# Altium PCB LimeSDR-X3_1v1.PcbDoc (part 11 of 25)
Units mm, origin at the board's own origin, x right, y up, seen from the top; angles counter-clockwise.
Board outline 232.5 x 111.15 mm, 12 copper layers (Top, L2, L3, L4, L5, L6, L7, L8, L9, L10, L11, Bottom), stack 1.596 mm thick; 2068 components, 1388 nets, 8930 pads, 3646 vias.
Unrouted connection lines stored in the file: 1.
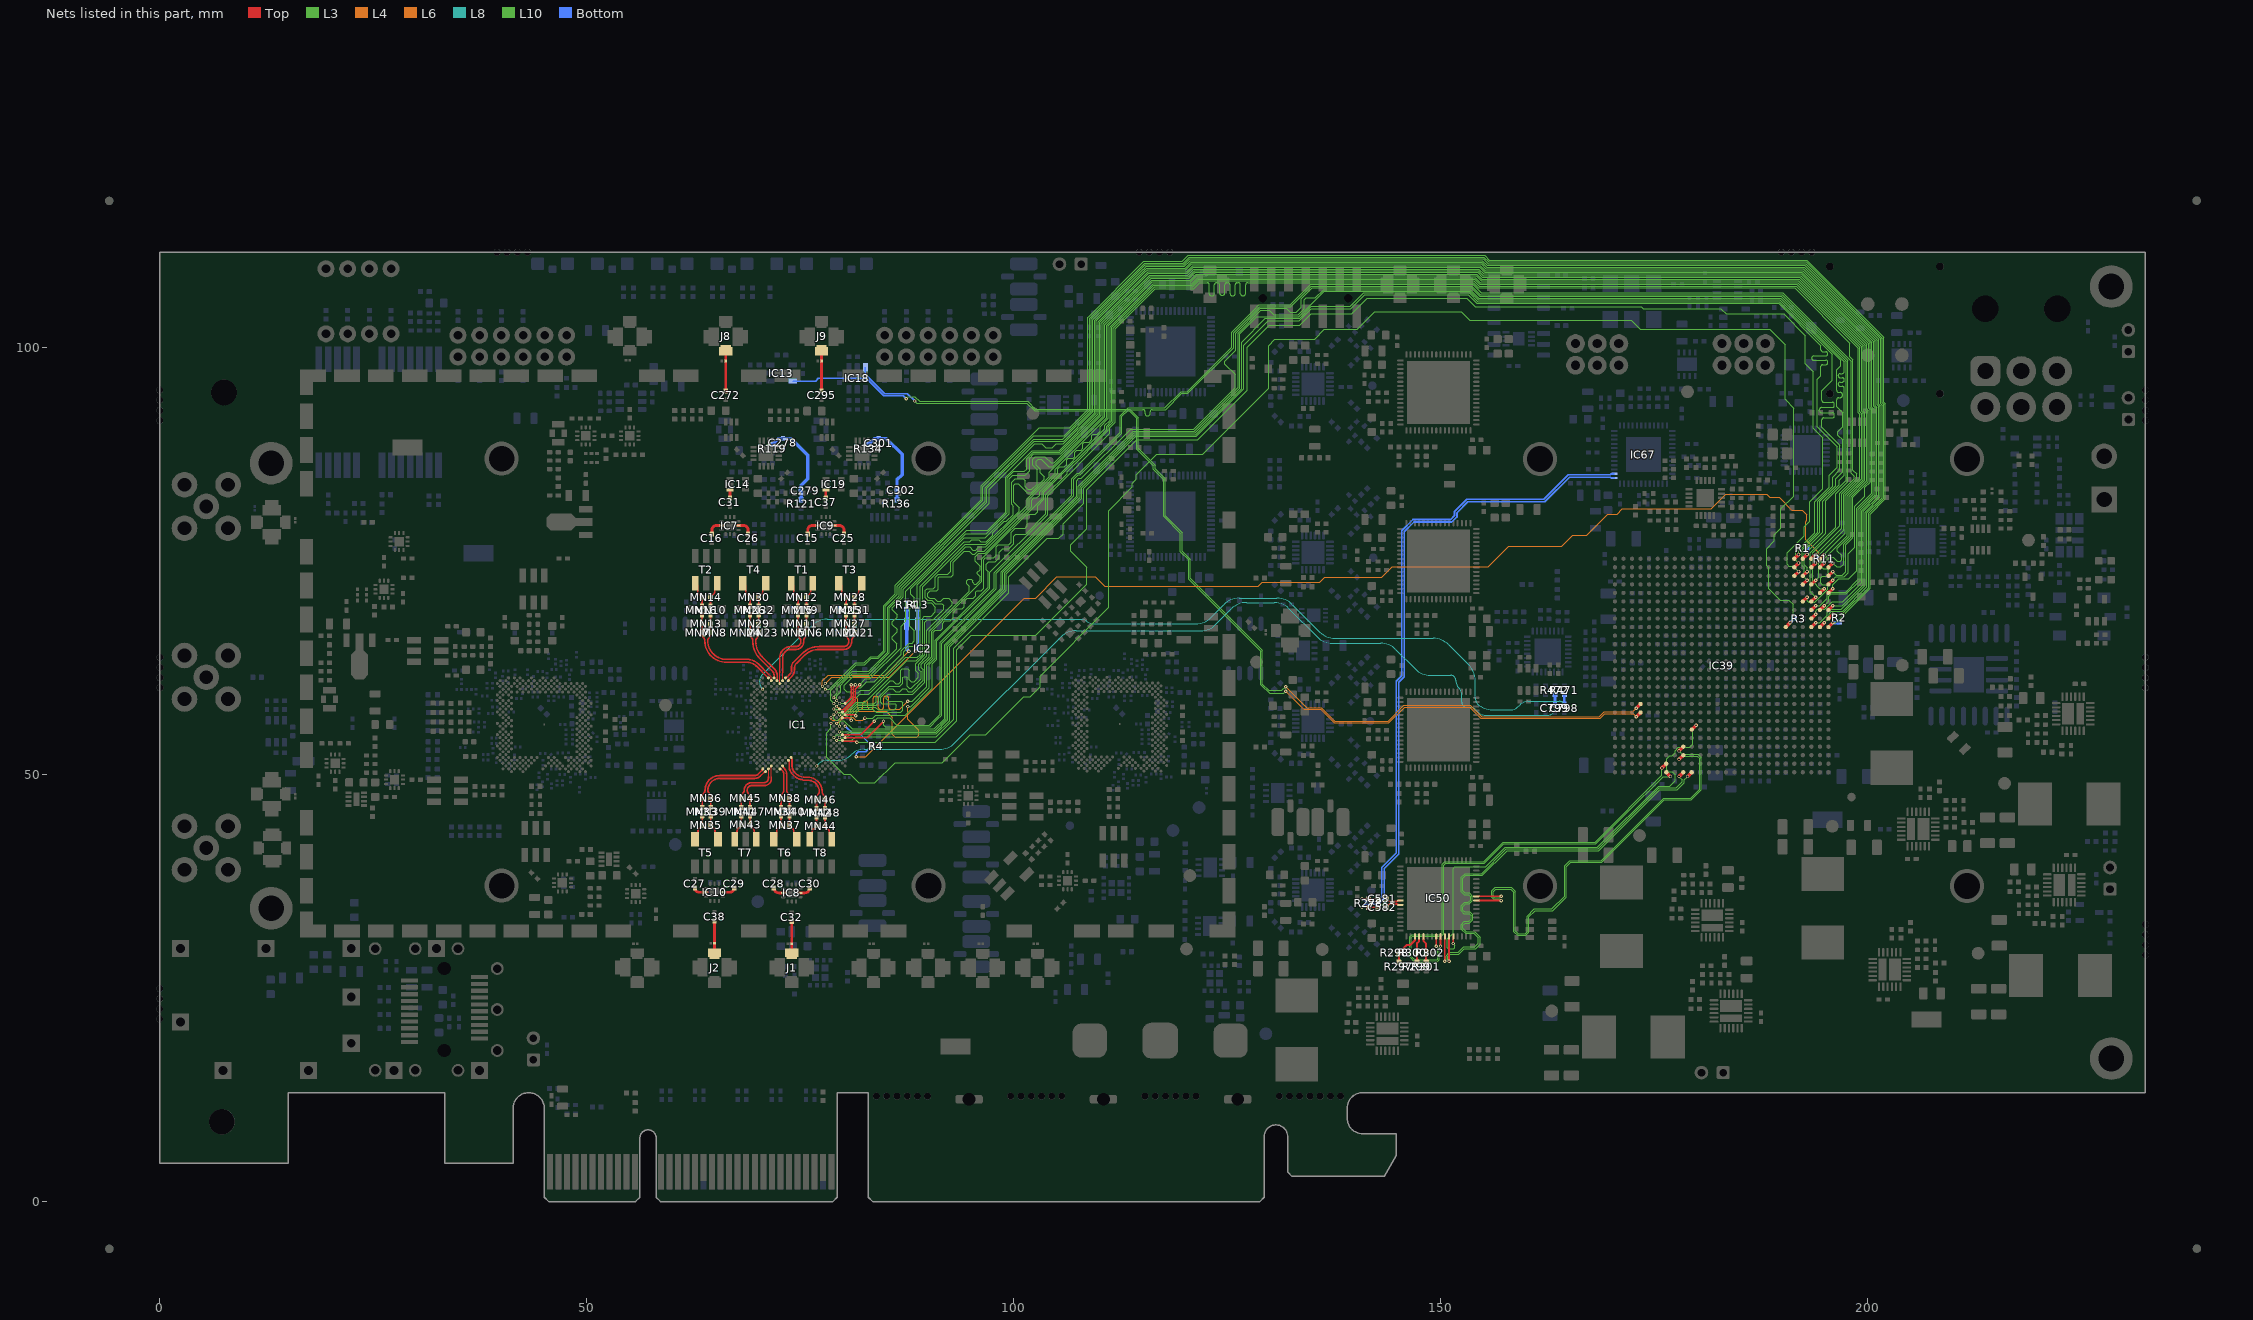
[diagram p21: the nets of this part, all layers, seen from the top]

## Via types
v1: diameter 0.4, hole 0.2, Top to Bottom, tented both sides, 3063 vias
v2: diameter 0.35, hole 0.2, Top to Bottom, tented both sides, 272 vias
v3: diameter 0.5, hole 0.2, Top to Bottom, tented bottom, 196 vias
v4: diameter 0.5, hole 0.2, Top to Bottom, tented both sides, 102 vias
v5: diameter 0.8, hole 0.4, Top to Bottom, tented both sides, 13 vias

## Nets (pads, with @x,y where several pads share a name; then routed paths per layer and width w, separated by ;. In a path a pad name is that pad's centre, name@x,y a point inside that pad or via, vN(x,y) a via of type N, cw(c..) or ccw(c..) an arc to the next point about the centre after c; other vN are vias at no path point) (continued)
LMS1_DIQ1_D8: IC1.AC31 IC39.AE5 | length 184.1
  Top w0.4: IC39.AE5@191.375,74.275 v1(191.875,74.775)
  L3 w0.1: v2(79.241,54.008) 81.02,54.008 81.462,54.45 90.892,54.45 92.925,56.483 92.925,64.799 99.4,71.274 99.4,73.15 103.9,77.65 105.25,77.65 105.75,78.15 105.75,79.375 108.15,81.775 108.15,83.533 114.242,89.625 121.372,89.625 126.925,95.178 126.925,100.25 129.8,103.125 133.424,103.125 134.824,104.525 139.425,104.525 141.1,106.2 153.203,106.2 154.206,105.198 189.53,105.198 194.5,100.228 194.5,99.768 194.5,99.743 ccw(c194.725,99.743) 194.725,99.518 195.056,99.518 cw(c195.056,99.293) 195.281,99.293 195.281,99.243 cw(c195.056,99.243) 195.056,99.018 194.5,99.018 193.643,99.018 ccw(c193.643,98.793) 193.418,98.793 193.418,98.743 ccw(c193.643,98.743) 193.643,98.518 194.5,98.518 195.082,98.518 cw(c195.082,98.293) 195.307,98.293 195.307,98.243 cw(c195.082,98.243) 195.082,98.018 194.725,98.018 ccw(c194.725,97.793) 194.5,97.793 194.5,96.725 194.075,96.3 194.075,90.725 196.4,88.4 196.4,85.975 195.475,85.05 195.475,83.649 193.8,81.974 193.8,78.343 191.525,76.068 191.525,75.125 v1(191.875,74.775)
LMS1_DIQ1_D9: IC1.AC33 IC39.AD5 | length 183.8
  Top w0.15: IC1.AC33@79.907,54.008 79.99,53.925 81.467,53.925 v1(81.61,53.782)
  Top w0.4: IC39.AD5@191.375,73.275 v1(191.875,73.775)
  L3 w0.1: v1(81.61,53.782) 90.789,53.782 93.325,56.318 93.325,64.633 94.992,66.3 102.541,66.3 108.55,72.309 108.55,74.3 106.675,76.175 106.675,76.925 108.55,78.8 108.55,83.368 114.407,89.225 121.537,89.225 127.325,95.013 127.325,100.067 129.883,102.625 133.489,102.625 134.839,103.975 139.541,103.975 141.366,105.8 153.038,105.8 154.04,104.798 173.445,104.798 173.667,104.575 182.792,104.575 183.417,103.95 190.134,103.95 192.675,101.409 192.675,98.125 193.6,97.2 193.6,90.542 194.7,89.442 194.7,83.475 193.175,81.95 193.175,79.65 192.55,79.025 192.55,77.995 190.525,75.97 190.525,74.63 190.73,74.425 191.225,74.425 v1(191.875,73.775)
LMS1_DIQ1_D10: IC1.AB30 IC39.AC4 | length 184
  Top w0.4: IC39.AC4@192.375,72.275 v1(192.875,72.775)
  L3 w0.1: v2(78.908,54.341) 79.236,54.669 80.445,54.669 80.733,54.957 90.833,54.957 92.275,56.399 92.275,65.058 98.9,71.683 98.9,73.609 107.75,82.459 107.75,83.699 114.076,90.025 121.206,90.025 126.45,95.269 126.45,101.616 128.459,103.625 133.358,103.625 136.333,106.6 153.369,106.6 154.371,105.598 189.696,105.598 196.8,98.494 196.8,97.875 196.325,97.4 196.325,95.05 196.325,95.02 ccw(c196.595,95.02) 196.595,94.75 196.755,94.75 cw(c196.755,94.48) 197.025,94.48 197.025,94.42 cw(c196.755,94.42) 196.755,94.15 196.595,94.15 ccw(c196.595,93.88) 196.325,93.88 196.325,93.425 196.325,93.075 197.025,92.375 197.025,90.725 196.475,90.175 196.475,89.75 197.025,89.2 197.025,85.45 196.225,84.65 196.225,83.833 194.375,81.983 194.375,78.352 192.325,76.302 192.325,74.475 192.525,74.275 192.525,73.125 v1(192.875,72.775)
LMS1_DIQ1_D11: IC1.AB32 IC39.AF5 | length 184
  Top w0.4: IC39.AF5@191.375,75.275 v1(191.875,75.775)
  L3 w0.1: v2(79.574,54.341) 80.4,54.341 80.816,54.757 90.915,54.757 92.475,56.316 92.475,64.975 99.1,71.6 99.1,73.526 107.95,82.376 107.95,83.616 114.159,89.825 121.289,89.825 126.675,95.212 126.675,100.65 129.45,103.425 133.441,103.425 134.841,104.825 139.375,104.825 140.95,106.4 153.286,106.4 154.289,105.398 189.613,105.398 195.8,99.211 195.8,96.175 194.6,94.975 194.6,93.9 194.6,93.839 ccw(c194.843,93.839) 194.843,93.596 195.834,93.596 cw(c195.834,93.353) 196.077,93.353 196.077,93.231 cw(c195.834,93.231) 195.834,92.988 194.6,92.988 194.565,92.988 ccw(c194.565,92.745) 194.322,92.745 194.322,92.623 ccw(c194.565,92.623) 194.565,92.38 194.6,92.38 195.834,92.38 cw(c195.834,92.137) 196.077,92.137 196.077,92.015 cw(c195.834,92.015) 195.834,91.772 194.843,91.772 ccw(c194.843,91.529) 194.6,91.529 194.6,91.425 194.6,90.675 196.725,88.55 196.725,85.7 195.85,84.825 195.85,83.741 194.1,81.991 194.1,78.36 191.875,76.135 v1(191.875,75.775)
LMS1_DIQ2_D0: IC1.H30 IC39.V2 | length 196.8
  Top w0.4: IC39.V2@194.375,67.275 v1(194.875,67.775)
  L3 w0.1: v2(78.908,59.003) 78.935,59.029 78.935,59.236 79.3,59.601 79.3,60.344 80.063,61.107 80.065,61.107 81.079,62.121 83.017,62.121 85.222,64.325 85.222,69.597 86.575,70.95 86.575,71.933 96.642,82 96.642,83.6 102.175,89.133 102.292,89.25 105.741,89.25 109.05,92.559 109.05,103.366 115.084,109.4 115.09,109.4 115.39,109.7 119.883,109.7 120.583,110.4 154.943,110.4 155.518,109.825 192.692,109.825 201.475,101.042 201.475,93.452 201.65,93.277 201.65,82.441 199.875,80.666 199.875,71.975 197.025,69.125 195.73,69.125 195.45,68.845 195.45,68.35 v1(194.875,67.775)
LMS1_DIQ2_D1: IC1.J31 IC39.V3 | length 197.1
  Top w0.4: IC39.V3@193.375,67.275 v1(193.875,67.775)
  L3 w0.1: v2(79.241,58.67) 79.241,59.259 79.7,59.718 79.7,60.461 80.146,60.907 80.147,60.907 81.066,61.825 83.004,61.825 85.422,64.242 85.422,69.514 86.775,70.867 86.775,71.85 96.842,81.917 96.842,82.083 96.842,83.517 102.375,89.05 105.824,89.05 109.25,92.476 109.25,103.283 115.167,109.2 115.173,109.2 115.473,109.5 119.966,109.5 120.666,110.2 154.86,110.2 155.435,109.625 192.609,109.625 201.275,100.959 201.275,93.369 201.45,93.194 201.45,82.524 199.675,80.749 199.675,72.15 196.9,69.375 195.625,69.375 195.25,69 195.25,68.655 194.37,67.775 v1(193.875,67.775)
LMS1_DIQ2_D2: IC1.K30 IC39.W1 | length 196.9
  Top w0.4: IC39.W1@195.375,68.275 v1(195.875,68.775)
  L3 w0.1: v2(78.908,58.337) 78.567,58.678 78.567,59.894 79.98,61.307 79.982,61.307 81.546,62.871 82.54,62.871 83.29,63.621 84.133,63.621 84.95,64.438 84.95,69.717 86.325,71.092 86.325,72.067 96.37,82.113 96.37,83.713 102.333,89.675 105.883,89.675 108.85,92.642 108.85,103.449 115.001,109.6 115.007,109.6 115.307,109.9 119.8,109.9 120.5,110.6 155.026,110.6 155.601,110.025 192.775,110.025 201.675,101.125 201.675,93.535 201.85,93.36 201.85,82.358 200.075,80.583 200.075,71.892 196.958,68.775 v1(195.875,68.775)
LMS1_DIQ2_D3: IC1.K32 IC39.Y1 | length 196.7
  Top w0.4: IC39.Y1@195.375,69.275 v1(195.875,69.775)
  L3 w0.1: v2(79.574,58.337) 79.587,58.349 80.409,58.349 81.225,59.166 81.225,59.448 80.948,59.725 80.446,59.725 80.15,60.021 80.15,60.491 81.159,61.5 83.079,61.5 86.3,64.721 86.3,65.3 85.75,65.85 85.75,66.15 86.325,66.725 86.325,67 85.75,67.575 85.75,67.875 86.325,68.45 86.325,68.7 85.75,69.275 85.75,69.525 87.05,70.825 87.05,71.725 97.125,81.8 97.125,83.4 102.45,88.725 103.283,88.725 103.733,88.275 104.499,88.275 104.949,88.725 105.781,88.725 109.45,92.394 109.45,103.2 115.25,109 115.256,109 115.556,109.3 120.049,109.3 120.749,110 154.777,110 155.352,109.425 192.526,109.425 200.958,100.994 201.075,100.876 201.075,93.286 201.25,93.111 201.25,82.606 199.475,80.831 199.475,72.25 197,69.775 v1(195.875,69.775)
LMS1_DIQ2_D4: IC1.L31 IC39.AF2 | length 196.1
  Top w0.4: IC39.AF2@194.375,75.275 v1(194.875,75.775)
  L3 w0.1: v1(87.55,58.596) 88.071,58.596 89.775,60.3 89.775,62.891 90.575,63.691 90.575,66.675 90.787,66.887 91.412,66.887 91.65,67.125 91.65,67.75 91.925,68.025 92.55,68.025 92.875,68.35 92.875,68.975 93.3,69.4 93.95,69.4 94.2,69.65 94.2,70.3 94.55,70.65 95.25,70.65 95.55,70.95 95.55,71.4 95.7,71.55 96.15,71.55 96.45,71.85 96.45,75.175 96.65,75.375 97.625,75.375 97.95,75.7 97.95,76.675 98.175,76.9 99.375,76.9 99.675,77.2 99.675,78.4 100.125,78.85 101.3,78.85 101.575,79.125 101.575,80.3 101.775,80.5 102.5,80.5 102.775,80.775 102.775,81.5 103.5,82.225 103.5,83.05 110.84,90.39 110.84,90.807 111.45,91.417 111.45,102.366 116.384,107.3 120.877,107.3 121.577,108 153.949,108 154.551,107.398 191.687,107.398 199.05,100.034 199.05,92.483 199.25,92.283 199.25,84.634 197.35,82.734 197.35,78.25 v1(194.875,75.775)
  L4 w0.1: v2(79.241,58.004) 79.601,57.644 80.525,57.644 80.839,57.644 ccw(c80.839,57.887) 81.082,57.887 81.082,58.794 cw(c81.325,58.794) 81.325,59.037 81.447,59.037 cw(c81.447,58.794) 81.69,58.794 81.69,57.887 ccw(c81.933,57.887) 81.933,57.644 82.055,57.644 ccw(c82.055,57.887) 82.298,57.887 82.298,58.32 cw(c82.541,58.32) 82.541,58.564 82.663,58.564 cw(c82.663,58.32) 82.906,58.32 82.906,57.887 ccw(c83.149,57.887) 83.149,57.644 83.271,57.644 ccw(c83.271,57.887) 83.514,57.887 83.514,58.924 cw(c83.757,58.924) 83.757,59.168 83.879,59.168 cw(c83.879,58.924) 84.122,58.924 84.122,57.887 ccw(c84.365,57.887) 84.365,57.644 84.487,57.644 ccw(c84.487,57.887) 84.73,57.887 84.73,58.924 cw(c84.973,58.924) 84.973,59.168 85.095,59.168 cw(c85.095,58.924) 85.338,58.924 85.338,57.887 ccw(c85.581,57.887) 85.581,57.644 85.946,57.644 86.25,57.644 86.598,57.644 v1(87.55,58.596)
LMS1_DIQ2_D5: IC1.K34 IC39.Y3 | length 196.6
  Top w0.15: IC1.K34@80.24,58.337 80.935,59.031 v1(80.935,60.507)
  Top w0.4: IC39.Y3@193.375,69.275 v1(193.875,69.775)
  L3 w0.1: v1(80.935,60.507) 80.935,60.138 81.491,59.582 81.786,59.582 82.079,59.875 83.099,59.875 87.1,63.876 87.1,64.408 87.729,65.037 88.287,65.037 88.675,65.425 88.675,72.234 94.191,77.75 96.616,77.75 99.425,80.559 99.425,84.659 99.841,85.075 101.325,85.075 101.825,85.575 101.825,87.059 102.316,87.55 105.455,87.55 110.05,92.145 110.05,102.951 115.499,108.4 115.504,108.4 115.804,108.7 120.297,108.7 120.997,109.4 154.529,109.4 155.104,108.825 192.278,108.825 200.358,100.745 200.475,100.628 200.475,93.038 200.65,92.863 200.65,82.855 198.875,81.08 198.875,72.85 197.4,71.375 195.525,71.375 195.225,71.075 195.225,70.63 194.37,69.775 v1(193.875,69.775)
LMS1_DIQ2_D6: IC1.M30 IC39.AB1 | length 196.8
  Top w0.4: IC39.AB1@195.375,71.275 v1(195.875,71.775)
  L3 w0.1: v2(78.908,57.671) 80.246,57.671 81.957,59.382 83.007,59.382 87.35,63.725 88.701,63.725 89.025,64.049 89.025,72.075 94.2,77.25 94.832,77.25 95.057,77.475 95.87,77.475 96.095,77.25 96.726,77.25 97.526,78.05 97.526,78.326 98.849,79.649 99.125,79.649 99.925,80.449 99.925,81.449 99.725,81.649 99.725,84.25 100.125,84.65 101.075,84.65 101.3,84.425 101.3,83.7 101.6,83.4 102.101,83.4 102.725,84.024 102.725,85.7 102.225,86.2 102.225,86.95 102.5,87.225 103.625,87.225 104.344,86.506 104.694,86.506 110.25,92.062 110.25,102.869 115.581,108.2 115.587,108.2 115.887,108.5 120.38,108.5 121.08,109.2 154.446,109.2 155.021,108.625 192.195,108.625 200.275,100.545 200.275,92.955 200.45,92.78 200.45,82.938 198.675,81.163 198.675,73.875 197.75,72.95 196.58,72.95 195.875,72.245 v1(195.875,71.775)
LMS1_DIQ2_D7: IC1.M32 IC39.Y2 | length 197
  Top w0.11: IC1.M32@79.574,57.671 80.078,57.671
  Top w0.15: 80.078,57.671 81.185,58.777 81.185,60.227 81.435,60.477 v1(81.435,60.507)
  Top w0.4: IC39.Y2@194.375,69.275 v1(194.875,69.775)
  L3 w0.1: v1(81.435,60.507) 81.76,60.182 82.086,60.182 82.779,60.875 83.625,60.875 86.825,64.075 86.825,64.5 87.725,65.4 88.075,65.4 88.325,65.65 88.325,66.825 87.8,67.35 87.8,69.425 88.325,69.95 88.325,70.7 87.904,71.121 87.904,71.746 94.358,78.2 96.783,78.2 99.225,80.642 99.225,84.742 99.977,85.494 101.219,85.494 101.481,85.756 101.481,86.998 102.233,87.75 105.372,87.75 109.85,92.228 109.85,103.034 115.416,108.6 115.422,108.6 115.722,108.9 120.214,108.9 120.914,109.6 154.612,109.6 155.187,109.025 192.361,109.025 200.675,100.711 200.675,93.121 200.85,92.946 200.85,82.772 199.075,80.997 199.075,72.767 197.458,71.15 195.7,71.15 195.425,70.875 195.425,70.325 v1(194.875,69.775)
LMS1_DIQ2_D8: IC1.N31 IC39.AC1 | length 196.6
  Top w0.4: IC39.AC1@195.375,72.275 v1(195.875,72.775)
  L3 w0.1: v2(79.241,57.338) 79.249,57.33 79.709,57.33 79.834,57.205 80.264,57.205 81.555,58.496 82.592,58.496 87.422,63.325 88.584,63.325 89.3,64.041 89.3,68.325 89.519,68.544 90.294,68.544 90.8,69.05 90.8,69.6 90.294,70.106 89.544,70.106 89.3,70.35 89.3,71.975 94.275,76.95 96.709,76.95 100.625,80.866 100.625,81.25 100,81.875 100,83.9 100.175,84.075 100.525,84.075 101.584,83.016 102,83.016 103.575,84.591 103.575,84.885 103.1,85.36 103.1,85.775 102.625,86.25 102.625,86.7 102.825,86.9 103.225,86.9 104.057,86.068 104.551,86.068 110.45,91.967 110.45,102.78 115.97,108.3 120.463,108.3 121.163,109 154.363,109 154.947,108.416 192.109,108.416 199.949,100.576 200.066,100.459 200.066,92.881 200.25,92.697 200.25,84.22 199.65,83.62 199.65,82.575 198.475,81.4 198.475,76.65 197.675,75.85 197.675,73.625 197.2,73.15 196.25,73.15 v1(195.875,72.775)
LMS1_DIQ2_D9: IC1.N33 IC39.W3 | length 196.5
  Top w0.15: IC1.N33@79.907,57.338 79.924,57.355 80.116,57.355 81.435,58.673 81.435,59.977 v1@81.96,60.502
  Top w0.4: IC39.W3@193.375,68.275 v1(193.875,68.775)
  L3 w0.1: v1(81.935,60.532) 82.603,61.2 83.104,61.2 86.775,64.871 86.775,67.375 87.35,67.95 87.35,71.475 94.5,78.625 96.925,78.625 99.025,80.725 99.025,84.825 102.15,87.95 105.289,87.95 109.65,92.311 109.65,103.117 115.333,108.8 115.339,108.8 115.639,109.1 120.131,109.1 120.831,109.8 154.695,109.8 155.27,109.225 192.444,109.225 200.875,100.794 200.875,93.203 201.05,93.028 201.05,82.689 199.275,80.914 199.275,72.475 197.05,70.25 195.845,70.25 194.945,69.35 194.075,69.35 193.875,69.15 v1(193.875,68.775)
LMS1_DIQ2_D10: IC1.P30 IC39.AE1 | length 196.7
  Top w0.4: IC39.AE1@195.375,74.275 v1(195.875,74.775)
  L3 w0.1: v2(78.908,57.005) 78.916,56.997 78.916,56.537 79.106,56.347 79.376,56.347 79.698,56.669 80.311,56.669 81.738,58.096 83.871,58.096 84.174,58.399 84.174,59.128 85.37,60.325 86.65,60.325 87,60.675 87,61.375 87.1,61.475 87.375,61.475 87.5,61.35 87.5,60.325 87.725,60.1 87.975,60.1 89.125,61.25 89.125,62.025 88.85,62.3 88.85,62.95 89.8,63.9 89.8,66.925 92.775,69.9 92.775,70.2 92.338,70.637 91.781,70.637 91.444,70.3 91.006,70.3 90.669,70.637 90.112,70.637 89.9,70.85 89.9,71.25 90.175,71.525 90.95,71.525 91.125,71.7 91.125,73.025 91.25,73.15 92.675,73.15 92.9,73.375 92.9,74.868 94.207,76.175 94.78,76.175 95.13,75.825 95.425,75.825 95.775,76.175 96.5,76.175 101.775,81.45 101.775,82.225 104.834,85.284 104.834,85.785 110.85,91.801 110.85,102.614 116.136,107.9 120.628,107.9 121.328,108.6 154.198,108.6 154.781,108.016 191.943,108.016 199.549,100.41 199.666,100.293 199.666,92.715 199.85,92.531 199.85,84.386 198.025,82.561 198.025,77.833 197.15,76.958 197.15,74.65 196.825,74.325 196.325,74.325 v1(195.875,74.775)
LMS1_DIQ2_D11: IC1.P32 IC39.AD1 | length 196.4
  Top w0.4: IC39.AD1@195.375,73.275 v1(195.875,73.775)
  L3 w0.1: v2(79.574,57.005) 80.364,57.005 81.655,58.296 83.646,58.296 83.888,58.538 83.888,59.363 85.525,61 85.787,61 86.162,60.625 86.5,60.625 86.725,60.85 86.725,62.2 86.925,62.4 87.575,62.4 87.75,62.225 87.75,61.1 87.95,60.9 88.325,60.9 88.8,61.375 88.8,61.846 88.5,62.146 88.5,62.958 89.55,64.008 89.55,67.825 89.875,68.15 90.525,68.15 91.75,69.375 91.75,69.825 91.55,70.025 90.775,70.025 90.362,70.437 89.913,70.437 89.625,70.725 89.625,71.575 89.825,71.775 90.575,71.775 90.8,72 90.8,73.125 91.15,73.475 92.225,73.475 92.575,73.825 92.575,74.9 94.35,76.675 94.8,76.675 95.175,76.3 95.5,76.3 95.875,76.675 96.717,76.675 101.575,81.533 101.575,82.308 104.15,84.883 104.15,85.384 110.65,91.884 110.65,102.697 116.053,108.1 120.546,108.1 121.246,108.8 154.28,108.8 154.864,108.216 192.026,108.216 199.866,100.376 199.866,92.798 200.05,92.614 200.05,84.303 198.225,82.478 198.225,77.75 197.4,76.925 197.4,73.775 196.975,73.35 196.3,73.35 v1(195.875,73.775)
LMS1_EN_IQSEL1: IC1.Y32 IC39.AD4 | length 183.7
  Top w0.4: IC39.AD4@192.375,73.275 v1(192.875,73.775)
  L3 w0.1: v2(79.574,55.007) 80.5,55.007 80.65,55.157 90.75,55.157 92.075,56.482 92.075,65.141 98.7,71.766 98.7,73.692 107.55,82.542 107.55,83.782 113.993,90.225 121.123,90.225 126.25,95.352 126.25,101.699 128.926,104.375 129.9,104.375 130.45,103.825 133.275,103.825 134.019,104.569 134.019,105.619 134.25,105.85 135.3,105.85 136.25,106.8 153.452,106.8 154.454,105.798 189.779,105.798 197.225,98.351 197.225,97.716 197.225,97.466 197.225,97.191 cw(c197,97.191) 197,96.966 196.75,96.966 ccw(c196.75,96.741) 196.525,96.741 196.525,96.691 ccw(c196.75,96.691) 196.75,96.466 197,96.466 cw(c197,96.241) 197.225,96.241 197.225,96.191 cw(c197,96.191) 197,95.966 196.75,95.966 ccw(c196.75,95.741) 196.525,95.741 196.525,95.691 ccw(c196.75,95.691) 196.75,95.466 197,95.466 cw(c197,95.241) 197.225,95.241 197.225,93.792 197.225,85.075 196.625,84.475 196.625,83.95 194.7,82.025 194.7,78.394 192.525,76.219 192.525,74.6 192.875,74.25 v1(192.875,73.775)
LMS1_EN_IQSEL2: IC1.R33 IC39.AE2 | length 196.5
  Top w0.15: IC1.R33@79.907,56.672 79.949,56.63 79.958,56.639 80.661,56.639 v1(80.956,56.344)
  Top w0.4: IC39.AE2@194.375,74.275 v1(194.875,74.775)
  L3 w0.1: v1(80.956,56.344) 80.956,56.997 81.855,57.896 83.779,57.896 84.1,57.575 85.975,57.575 86.225,57.825 86.225,58.15 86.075,58.3 84.525,58.3 84.374,58.451 84.374,59.046 85.399,60.071 85.8,60.071 86.146,59.725 86.625,59.725 86.971,60.071 87.3,60.071 87.646,59.725 88.075,59.725 89.375,61.025 89.375,62.3 89.15,62.525 89.15,62.9 90.075,63.825 90.075,66.8 94.75,71.475 94.75,72.081 94.5,72.331 94.5,72.7 94.675,72.875 94.975,72.875 95.15,72.7 95.15,72.5 95.338,72.312 95.587,72.312 96.05,72.775 96.05,73.187 95.725,73.512 95.725,73.688 96.05,74.013 96.05,74.425 95.475,75 95.475,75.525 95.875,75.925 96.634,75.925 102.075,81.366 102.075,82.15 102.325,82.4 102.697,82.4 103.025,82.728 103.025,83.141 105.15,85.266 105.15,85.819 105.356,86.025 105.909,86.025 106.175,86.291 106.175,86.844 106.381,87.05 106.934,87.05 107.1,87.216 107.1,87.769 107.331,88 107.884,88 108.075,88.191 108.075,88.744 108.256,88.925 108.809,88.925 109.127,89.242 109.127,89.727 109.277,89.877 109.761,89.877 110.078,90.194 110.078,90.747 111.05,91.719 111.05,102.531 116.219,107.7 120.711,107.7 121.411,108.4 154.115,108.4 154.698,107.816 191.86,107.816 199.466,100.21 199.466,92.632 199.65,92.449 199.65,84.469 197.8,82.619 197.8,77.891 196.425,76.516 196.425,76.175 196.925,75.675 196.925,75.158 196.742,74.975 196.4,74.975 195.95,75.425 195.525,75.425 v1(194.875,74.775)
LMS1_FCLK1: IC1.AA33 IC39.AB2 | length 184.1
  Top w0.15: IC1.AA33@79.907,54.674 79.907,54.691 82.07,54.691 v1(83.625,56.246)
  Top w0.4: IC39.AB2@194.375,71.275 v1(194.875,71.775)
  L3 w0.1: v1(83.625,56.246) 84.025,56.646 85.442,56.646 86.292,55.796 90.088,55.796 91.35,57.058 91.35,65.483 97.717,71.849 97.717,73.649 106.775,82.708 106.775,84.65 107.325,85.2 107.421,85.296 107.663,85.296 112.45,90.083 112.45,92.033 113.367,92.95 117.675,92.95 119.575,94.85 120.292,94.85 125.475,100.033 125.475,101.783 128.117,104.425 128.692,105 132.35,105 134.75,107.4 153.7,107.4 154.703,106.398 190.027,106.398 198.05,98.375 198.05,85.3 198.4,84.95 198.4,84.65 196.675,82.925 196.675,79.117 193.525,75.967 193.525,72.63 194.38,71.775 v1(194.875,71.775)
LMS1_FCLK2: IC1.R29 IC39.AC3 | length 196.5
  Top w0.4: IC39.AC3@193.375,72.275 v1(193.875,72.775)
  L3 w0.1: v1(87.55,57.971) 87.896,57.971 90.1,60.175 90.1,62.933 90.775,63.608 90.775,65.733 96.975,71.933 96.975,73.758 96.75,73.983 96.75,74.625 97.025,74.9 97.8,74.9 98.3,75.4 98.3,76.05 98.675,76.425 99.4,76.425 100,77.025 100,77.925 100.225,78.15 101.367,78.15 103.75,80.533 103.75,82.758 106.225,85.233 106.225,85.492 111.04,90.307 111.04,90.724 111.65,91.334 111.65,102.283 116.467,107.1 120.96,107.1 121.66,107.8 153.866,107.8 154.469,107.198 191.604,107.198 198.85,99.951 198.85,92.4 199.05,92.2 199.05,84.717 197.15,82.817 197.15,78.6 194.225,75.675 194.225,73.125 v1(193.875,72.775)
  L4 w0.1: v2(78.575,56.672) 78.575,56.466 78.695,56.347 79.424,56.347 80.521,57.444 85.056,57.444 85.775,56.725 85.775,54.725 86.125,54.375 88.625,54.375 88.875,54.625 88.875,55.175 87.55,56.5 v1(87.55,57.971)
LMS1_I2C_SCL: IC1.C27 IC2.6 R13.2 | length 17.2
  L4 w0.1: v2(77.909,60.668) 78.662,61.421 85.425,61.421 v1(88.45,64.446)
  Bottom w0.4: v1(88.45,64.446) 88.706,64.702 IC2.6@88.706,67.657 R13.2@88.706,69.397
LMS1_I2C_SDA: IC1.D26 IC2.5 R14.2 | length 17.3
  L4 w0.1: v2(77.576,60.335) 77.576,60.972 78.25,61.646 84.9,61.646 v1(87.7,64.446)
  Bottom w0.4: R14.2@87.436,69.397 87.436,64.71 v1(87.7,64.446)
LMS1_MCLK1: IC1.AB34 IC39.AA3 | length 184.6
  Top w0.15: IC1.AB34@80.24,54.341 82.845,54.341 v1@84.738,56.233
  Top w0.4: IC39.AA3@193.375,70.275 v1(193.875,70.775)
  L3 w0.1: v1(84.725,56.246) 84.725,55.773 84.902,55.596 90.171,55.596 91.1,56.525 91.55,56.975 91.55,65.4 97.917,71.767 97.917,73.567 106.975,82.625 106.975,84.567 107.504,85.096 107.746,85.096 112.65,90 112.65,91.95 113.45,92.75 114.45,92.75 114.75,92.75 115.08,92.75 cw(c115.08,92.48) 115.35,92.48 115.35,92.278 ccw(c115.62,92.278) 115.62,92.008 115.68,92.008 ccw(c115.68,92.278) 115.95,92.278 115.95,92.48 cw(c116.22,92.48) 116.22,92.75 116.625,92.75 117.758,92.75 119.658,94.65 120.375,94.65 125.725,100 125.725,101.75 128.775,104.8 132.433,104.8 134.833,107.2 153.618,107.2 154.62,106.198 189.945,106.198 197.641,98.501 197.641,84.291 196.25,82.9 196.25,78.975 193.225,75.95 193.225,71.425 v1(193.875,70.775)